# KiCad board Solder.kicad_pcb (continued)
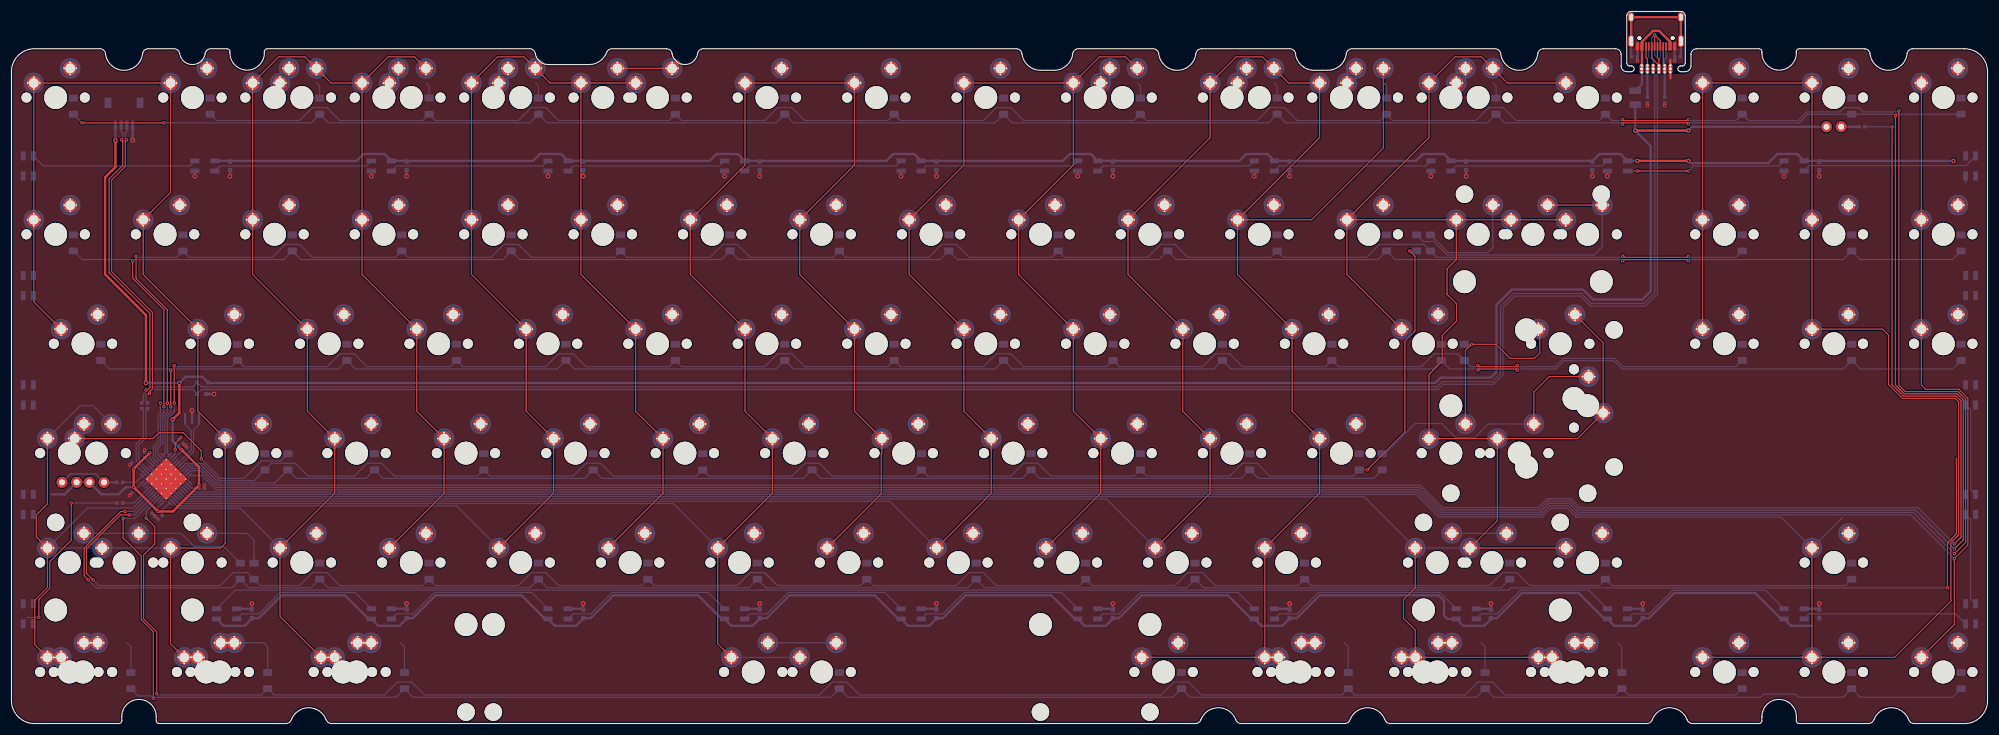
[diagram p0: board, top side]
## Copper pours and planes (outline as drawn; the poured copper is in the pictures) (continued)
C4 on Top: 189.71,47.12 189.72,47.23 189.72,47.33 189.73,47.42 189.74,47.51 189.76,47.59 189.78,47.66 189.8,47.73 189.83,47.8 189.85,47.86 189.88,47.92 189.92,47.98 189.95,48.03 189.99,48.08 190.03,48.13 190.38,48.52 190.42,48.58 190.47,48.63 190.51,48.7 190.56,48.76 190.61,48.83 190.65,48.9 190.7,48.98 190.74,49.07 189.61,50.24 188.49,49.07 188.53,48.98 188.58,48.9 188.62,48.83 188.67,48.76 188.71,48.7 188.76,48.63 188.81,48.58 188.85,48.52 189.2,48.13 189.24,48.08 189.28,48.03 189.31,47.98 189.34,47.92 189.37,47.86 189.4,47.8 189.43,47.73 189.45,47.66 189.47,47.59 189.48,47.51 189.5,47.42 189.51,47.33 189.51,47.23 189.51,47.12
C4 on Top: 170.66,47.12 170.67,47.23 170.67,47.33 170.68,47.42 170.69,47.51 170.71,47.59 170.73,47.66 170.75,47.73 170.78,47.8 170.8,47.86 170.83,47.92 170.87,47.98 170.9,48.03 170.94,48.08 170.98,48.13 171.33,48.52 171.37,48.58 171.42,48.63 171.46,48.7 171.51,48.76 171.56,48.83 171.6,48.9 171.65,48.98 171.69,49.07 170.56,50.24 169.44,49.07 169.48,48.98 169.53,48.9 169.57,48.83 169.62,48.76 169.66,48.7 169.71,48.63 169.76,48.58 169.8,48.52 170.15,48.13 170.19,48.08 170.23,48.03 170.26,47.98 170.29,47.92 170.32,47.86 170.35,47.8 170.38,47.73 170.4,47.66 170.42,47.59 170.43,47.51 170.45,47.42 170.46,47.33 170.46,47.23 170.46,47.12
C4 on Top: 182.36,111.43 182.47,111.43 182.57,111.42 182.66,111.41 182.75,111.4 182.83,111.38 182.9,111.36 182.97,111.34 183.04,111.31 183.1,111.29 183.16,111.26 183.21,111.22 183.27,111.19 183.32,111.15 183.37,111.11 183.76,110.77 183.81,110.72 183.87,110.67 183.93,110.63 184,110.58 184.07,110.53 184.14,110.49 184.22,110.45 184.31,110.4 185.48,111.53 184.31,112.65 184.22,112.61 184.14,112.56 184.07,112.52 184,112.47 183.93,112.43 183.87,112.38 183.81,112.33 183.76,112.29 183.37,111.94 183.32,111.9 183.27,111.86 183.21,111.83 183.16,111.8 183.1,111.77 183.04,111.74 182.97,111.71 182.9,111.69 182.83,111.67 182.75,111.66 182.66,111.64 182.57,111.63 182.47,111.63 182.36,111.63
C4 on Top: 184.95,109.04 184.95,109.14 184.96,109.24 184.97,109.33 184.98,109.42 185,109.5 185.02,109.58 185.04,109.65 185.06,109.71 185.09,109.78 185.12,109.83 185.15,109.89 185.19,109.94 185.23,109.99 185.26,110.04 185.61,110.43 185.66,110.49 185.71,110.55 185.75,110.61 185.8,110.67 185.84,110.74 185.89,110.82 185.93,110.9 185.98,110.98 184.85,112.15 183.73,110.98 183.77,110.9 183.81,110.82 183.86,110.74 183.9,110.67 183.95,110.61 184,110.55 184.04,110.49 184.09,110.43 184.44,110.04 184.48,109.99 184.51,109.94 184.55,109.89 184.58,109.83 184.61,109.78 184.64,109.71 184.66,109.65 184.69,109.58 184.71,109.5 184.72,109.42 184.73,109.33 184.74,109.24 184.75,109.14 184.75,109.04
C4 on Top: 157.97,89.55 157.89,89.47 157.82,89.41 157.74,89.35 157.67,89.3 157.61,89.25 157.54,89.21 157.47,89.18 157.41,89.15 157.35,89.12 157.28,89.1 157.22,89.09 157.16,89.07 157.1,89.06 157.03,89.06 156.51,89.03 156.44,89.02 156.37,89.01 156.29,89 156.21,88.99 156.13,88.97 156.04,88.95 155.96,88.92 155.87,88.9 155.83,87.27 157.46,87.3 157.49,87.4 157.51,87.48 157.53,87.57 157.55,87.65 157.56,87.73 157.57,87.8 157.58,87.88 157.59,87.95 157.62,88.47 157.63,88.53 157.64,88.6 157.65,88.66 157.67,88.72 157.69,88.78 157.71,88.85 157.74,88.91 157.77,88.98 157.81,89.04 157.86,89.11 157.91,89.18 157.97,89.25 158.03,89.33 158.11,89.4
C4 on Top: 165.9,109.04 165.9,109.14 165.91,109.24 165.92,109.33 165.93,109.42 165.95,109.5 165.97,109.58 165.99,109.65 166.01,109.71 166.04,109.78 166.07,109.83 166.1,109.89 166.14,109.94 166.18,109.99 166.21,110.04 166.56,110.43 166.61,110.49 166.66,110.55 166.7,110.61 166.75,110.67 166.79,110.74 166.84,110.82 166.88,110.9 166.93,110.98 165.8,112.15 164.68,110.98 164.72,110.9 164.76,110.82 164.81,110.74 164.85,110.67 164.9,110.61 164.95,110.55 164.99,110.49 165.04,110.43 165.39,110.04 165.43,109.99 165.46,109.94 165.5,109.89 165.53,109.83 165.56,109.78 165.59,109.71 165.61,109.65 165.64,109.58 165.66,109.5 165.67,109.42 165.68,109.33 165.69,109.24 165.7,109.14 165.7,109.04
C4 on Top: 194.13,115.76 194.21,115.68 194.27,115.61 194.33,115.53 194.38,115.46 194.43,115.4 194.47,115.33 194.5,115.26 194.53,115.2 194.56,115.14 194.58,115.07 194.59,115.01 194.6,114.95 194.62,114.89 194.62,114.82 194.65,114.3 194.66,114.23 194.67,114.16 194.68,114.08 194.69,114 194.71,113.92 194.73,113.84 194.75,113.75 194.78,113.66 196.41,113.63 196.37,115.25 196.28,115.28 196.2,115.3 196.11,115.32 196.03,115.34 195.95,115.35 195.88,115.36 195.8,115.37 195.73,115.38 195.21,115.41 195.14,115.42 195.08,115.43 195.02,115.44 194.96,115.46 194.9,115.48 194.83,115.5 194.77,115.53 194.7,115.56 194.64,115.6 194.57,115.65 194.5,115.7 194.42,115.76 194.35,115.82 194.27,115.9
C4 on Top: 168.29,111.63 168.19,111.63 168.09,111.63 167.99,111.64 167.91,111.66 167.83,111.67 167.75,111.69 167.68,111.71 167.62,111.74 167.55,111.77 167.49,111.8 167.44,111.83 167.39,111.86 167.33,111.9 167.29,111.94 166.9,112.29 166.84,112.33 166.78,112.38 166.72,112.43 166.66,112.47 166.59,112.52 166.51,112.56 166.43,112.61 166.35,112.65 165.18,111.53 166.35,110.4 166.43,110.45 166.51,110.49 166.59,110.53 166.66,110.58 166.72,110.63 166.78,110.67 166.84,110.72 166.9,110.77 167.29,111.11 167.33,111.15 167.39,111.19 167.44,111.22 167.49,111.26 167.55,111.29 167.62,111.31 167.68,111.34 167.75,111.36 167.83,111.38 167.91,111.4 167.99,111.41 168.09,111.42 168.19,111.43 168.29,111.43
C4 on Top: 186.54,113.36 186.47,113.28 186.39,113.22 186.32,113.16 186.25,113.11 186.18,113.06 186.11,113.02 186.05,112.99 185.98,112.96 185.92,112.94 185.86,112.92 185.79,112.9 185.73,112.89 185.67,112.88 185.61,112.87 185.09,112.84 185.01,112.83 184.94,112.82 184.86,112.81 184.79,112.8 184.7,112.78 184.62,112.76 184.53,112.74 184.44,112.71 184.41,111.09 186.03,111.12 186.06,111.21 186.09,111.3 186.11,111.38 186.12,111.46 186.14,111.54 186.15,111.62 186.16,111.69 186.16,111.76 186.19,112.28 186.2,112.35 186.21,112.41 186.22,112.47 186.24,112.53 186.26,112.6 186.28,112.66 186.31,112.72 186.35,112.79 186.39,112.86 186.43,112.92 186.48,112.99 186.54,113.07 186.61,113.14 186.68,113.22
C4 on Top: 177.02,89.55 176.94,89.47 176.87,89.41 176.79,89.35 176.72,89.3 176.66,89.25 176.59,89.21 176.52,89.18 176.46,89.15 176.4,89.12 176.33,89.1 176.27,89.09 176.21,89.07 176.15,89.06 176.08,89.06 175.56,89.03 175.49,89.02 175.42,89.01 175.34,89 175.26,88.99 175.18,88.97 175.09,88.95 175.01,88.92 174.92,88.9 174.88,87.27 176.51,87.3 176.54,87.4 176.56,87.48 176.58,87.57 176.6,87.65 176.61,87.73 176.62,87.8 176.63,87.88 176.64,87.95 176.67,88.47 176.68,88.53 176.69,88.6 176.7,88.66 176.72,88.72 176.74,88.78 176.76,88.85 176.79,88.91 176.82,88.98 176.86,89.04 176.91,89.11 176.96,89.18 177.02,89.25 177.08,89.33 177.16,89.4
C4 on Top: 156.38,85.22 156.38,85.33 156.38,85.43 156.39,85.52 156.41,85.61 156.42,85.69 156.44,85.76 156.46,85.83 156.49,85.9 156.52,85.96 156.55,86.02 156.58,86.08 156.61,86.13 156.65,86.18 156.69,86.23 157.04,86.62 157.08,86.68 157.13,86.73 157.18,86.8 157.22,86.86 157.27,86.93 157.31,87 157.36,87.08 157.4,87.17 156.28,88.34 155.15,87.17 155.19,87.08 155.24,87 155.28,86.93 155.33,86.86 155.38,86.8 155.42,86.73 155.47,86.68 155.52,86.62 155.86,86.23 155.9,86.18 155.94,86.13 155.97,86.08 156.01,86.02 156.04,85.96 156.06,85.9 156.09,85.83 156.11,85.76 156.13,85.69 156.15,85.61 156.16,85.52 156.17,85.43 156.17,85.33 156.18,85.22
C4 on Top: 163.97,70.35 164.04,70.28 164.11,70.2 164.17,70.13 164.22,70.06 164.27,69.99 164.31,69.93 164.34,69.86 164.37,69.8 164.39,69.73 164.41,69.67 164.43,69.61 164.44,69.55 164.45,69.48 164.46,69.42 164.49,68.9 164.5,68.83 164.5,68.75 164.51,68.68 164.53,68.6 164.55,68.52 164.57,68.43 164.59,68.35 164.62,68.25 166.24,68.22 166.21,69.85 166.12,69.87 166.03,69.9 165.95,69.92 165.87,69.94 165.79,69.95 165.71,69.96 165.64,69.97 165.57,69.98 165.04,70.01 164.98,70.01 164.92,70.02 164.86,70.04 164.8,70.05 164.73,70.07 164.67,70.1 164.61,70.13 164.54,70.16 164.47,70.2 164.4,70.25 164.33,70.3 164.26,70.36 164.19,70.42 164.11,70.5
C4 on Bottom: 159.21,32.25 159.28,32.18 159.35,32.1 159.41,32.03 159.46,31.96 159.5,31.89 159.54,31.83 159.58,31.76 159.61,31.7 159.63,31.63 159.65,31.57 159.67,31.51 159.68,31.45 159.69,31.38 159.7,31.32 159.73,30.8 159.73,30.73 159.74,30.65 159.75,30.58 159.77,30.5 159.78,30.42 159.8,30.33 159.83,30.25 159.86,30.15 161.48,30.12 161.45,31.75 161.36,31.77 161.27,31.8 161.19,31.82 161.11,31.84 161.03,31.85 160.95,31.86 160.88,31.87 160.8,31.88 160.28,31.91 160.22,31.91 160.16,31.92 160.1,31.94 160.03,31.95 159.97,31.97 159.91,32 159.84,32.03 159.78,32.06 159.71,32.1 159.64,32.15 159.57,32.2 159.5,32.26 159.43,32.32 159.35,32.4
C5 on Top: 221.12,70.35 221.19,70.28 221.26,70.2 221.32,70.13 221.37,70.06 221.42,69.99 221.46,69.93 221.49,69.86 221.52,69.8 221.54,69.73 221.56,69.67 221.58,69.61 221.59,69.55 221.6,69.48 221.61,69.42 221.64,68.9 221.65,68.83 221.65,68.75 221.66,68.68 221.68,68.6 221.7,68.52 221.72,68.43 221.74,68.35 221.77,68.25 223.39,68.22 223.36,69.85 223.27,69.87 223.18,69.9 223.1,69.92 223.02,69.94 222.94,69.95 222.86,69.96 222.79,69.97 222.72,69.98 222.19,70.01 222.13,70.01 222.07,70.02 222.01,70.04 221.95,70.05 221.88,70.07 221.82,70.1 221.76,70.13 221.69,70.16 221.62,70.2 221.55,70.25 221.48,70.3 221.41,70.36 221.34,70.42 221.26,70.5
C5 on Top: 213.53,85.22 213.53,85.33 213.53,85.43 213.54,85.52 213.56,85.61 213.57,85.69 213.59,85.76 213.61,85.83 213.64,85.9 213.67,85.96 213.7,86.02 213.73,86.08 213.76,86.13 213.8,86.18 213.84,86.23 214.19,86.62 214.23,86.68 214.28,86.73 214.33,86.8 214.37,86.86 214.42,86.93 214.46,87 214.51,87.08 214.55,87.17 213.43,88.34 212.3,87.17 212.34,87.08 212.39,87 212.43,86.93 212.48,86.86 212.53,86.8 212.57,86.73 212.62,86.68 212.67,86.62 213.01,86.23 213.05,86.18 213.09,86.13 213.12,86.08 213.16,86.02 213.19,85.96 213.21,85.9 213.24,85.83 213.26,85.76 213.28,85.69 213.3,85.61 213.31,85.52 213.32,85.43 213.32,85.33 213.33,85.22
C5 on Top: 225.88,51.3 225.96,51.23 226.02,51.15 226.08,51.08 226.13,51.01 226.18,50.94 226.22,50.88 226.25,50.81 226.28,50.75 226.31,50.68 226.33,50.62 226.34,50.56 226.35,50.5 226.37,50.43 226.37,50.37 226.4,49.85 226.41,49.78 226.42,49.7 226.43,49.63 226.44,49.55 226.46,49.47 226.48,49.38 226.5,49.3 226.53,49.2 228.16,49.17 228.12,50.8 228.03,50.82 227.95,50.85 227.86,50.87 227.78,50.89 227.7,50.9 227.63,50.91 227.55,50.92 227.48,50.93 226.96,50.96 226.89,50.96 226.83,50.97 226.77,50.99 226.71,51 226.65,51.02 226.58,51.05 226.52,51.08 226.45,51.11 226.39,51.15 226.32,51.2 226.25,51.25 226.17,51.31 226.1,51.37 226.02,51.45
C5 on Top: 223.05,66.17 223.05,66.28 223.06,66.38 223.07,66.47 223.08,66.56 223.1,66.64 223.12,66.71 223.14,66.78 223.16,66.85 223.19,66.91 223.22,66.97 223.25,67.03 223.29,67.08 223.33,67.13 223.36,67.18 223.71,67.57 223.76,67.63 223.81,67.68 223.85,67.75 223.9,67.81 223.94,67.88 223.99,67.95 224.03,68.03 224.08,68.12 222.95,69.29 221.83,68.12 221.87,68.03 221.91,67.95 221.96,67.88 222,67.81 222.05,67.75 222.1,67.68 222.14,67.63 222.19,67.57 222.54,67.18 222.58,67.13 222.61,67.08 222.65,67.03 222.68,66.97 222.71,66.91 222.74,66.85 222.76,66.78 222.79,66.71 222.81,66.64 222.82,66.56 222.83,66.47 222.84,66.38 222.85,66.28 222.85,66.17
C5 on Top: 200.83,32.4 200.75,32.32 200.68,32.26 200.61,32.2 200.54,32.15 200.47,32.1 200.4,32.06 200.34,32.03 200.27,32 200.21,31.97 200.14,31.95 200.08,31.94 200.02,31.92 199.96,31.91 199.9,31.91 199.37,31.88 199.3,31.87 199.23,31.86 199.15,31.85 199.07,31.84 198.99,31.82 198.91,31.8 198.82,31.77 198.73,31.75 198.7,30.12 200.32,30.15 200.35,30.25 200.37,30.33 200.4,30.42 200.41,30.5 200.43,30.58 200.44,30.65 200.44,30.73 200.45,30.8 200.48,31.32 200.49,31.38 200.5,31.45 200.51,31.51 200.53,31.57 200.55,31.63 200.57,31.7 200.6,31.76 200.64,31.83 200.67,31.89 200.72,31.96 200.77,32.03 200.83,32.1 200.9,32.18 200.97,32.25
C5 on Top: 206.83,51.3 206.91,51.23 206.97,51.15 207.03,51.08 207.08,51.01 207.13,50.94 207.17,50.88 207.2,50.81 207.23,50.75 207.26,50.68 207.28,50.62 207.29,50.56 207.3,50.5 207.32,50.43 207.32,50.37 207.35,49.85 207.36,49.78 207.37,49.7 207.38,49.63 207.39,49.55 207.41,49.47 207.43,49.38 207.45,49.3 207.48,49.2 209.11,49.17 209.07,50.8 208.98,50.82 208.9,50.85 208.81,50.87 208.73,50.89 208.65,50.9 208.58,50.91 208.5,50.92 208.43,50.93 207.91,50.96 207.84,50.96 207.78,50.97 207.72,50.99 207.66,51 207.6,51.02 207.53,51.05 207.47,51.08 207.4,51.11 207.34,51.15 207.27,51.2 207.2,51.25 207.12,51.31 207.05,51.37 206.97,51.45
C5 on Top: 208.76,47.12 208.77,47.23 208.77,47.33 208.78,47.42 208.79,47.51 208.81,47.59 208.83,47.66 208.85,47.73 208.88,47.8 208.9,47.86 208.93,47.92 208.97,47.98 209,48.03 209.04,48.08 209.08,48.13 209.43,48.52 209.47,48.58 209.52,48.63 209.56,48.7 209.61,48.76 209.66,48.83 209.7,48.9 209.75,48.98 209.79,49.07 208.66,50.24 207.54,49.07 207.58,48.98 207.63,48.9 207.67,48.83 207.72,48.76 207.76,48.7 207.81,48.63 207.86,48.58 207.9,48.52 208.25,48.13 208.29,48.08 208.33,48.03 208.36,47.98 208.39,47.92 208.42,47.86 208.45,47.8 208.48,47.73 208.5,47.66 208.52,47.59 208.53,47.51 208.55,47.42 208.56,47.33 208.56,47.23 208.56,47.12
C5 on Top: 227.81,47.12 227.82,47.23 227.82,47.33 227.83,47.42 227.84,47.51 227.86,47.59 227.88,47.66 227.9,47.73 227.93,47.8 227.95,47.86 227.98,47.92 228.02,47.98 228.05,48.03 228.09,48.08 228.13,48.13 228.48,48.52 228.52,48.58 228.57,48.63 228.61,48.7 228.66,48.76 228.71,48.83 228.75,48.9 228.8,48.98 228.84,49.07 227.71,50.24 226.59,49.07 226.63,48.98 226.68,48.9 226.72,48.83 226.77,48.76 226.81,48.7 226.86,48.63 226.91,48.58 226.95,48.52 227.3,48.13 227.34,48.08 227.38,48.03 227.41,47.98 227.44,47.92 227.47,47.86 227.5,47.8 227.53,47.73 227.55,47.66 227.57,47.59 227.58,47.51 227.6,47.42 227.61,47.33 227.61,47.23 227.61,47.12
C5 on Top: 219.88,32.4 219.8,32.32 219.73,32.26 219.66,32.2 219.59,32.15 219.52,32.1 219.45,32.06 219.39,32.03 219.32,32 219.26,31.97 219.19,31.95 219.13,31.94 219.07,31.92 219.01,31.91 218.95,31.91 218.42,31.88 218.35,31.87 218.28,31.86 218.2,31.85 218.12,31.84 218.04,31.82 217.96,31.8 217.87,31.77 217.78,31.75 217.75,30.12 219.37,30.15 219.4,30.25 219.42,30.33 219.45,30.42 219.46,30.5 219.48,30.58 219.49,30.65 219.49,30.73 219.5,30.8 219.53,31.32 219.54,31.38 219.55,31.45 219.56,31.51 219.58,31.57 219.6,31.63 219.62,31.7 219.65,31.76 219.69,31.83 219.72,31.89 219.77,31.96 219.82,32.03 219.88,32.1 219.95,32.18 220.02,32.25
C5 on Top: 204,66.17 204,66.28 204.01,66.38 204.02,66.47 204.03,66.56 204.05,66.64 204.07,66.71 204.09,66.78 204.11,66.85 204.14,66.91 204.17,66.97 204.2,67.03 204.24,67.08 204.28,67.13 204.31,67.18 204.66,67.57 204.71,67.63 204.76,67.68 204.8,67.75 204.85,67.81 204.89,67.88 204.94,67.95 204.98,68.03 205.03,68.12 203.9,69.29 202.78,68.12 202.82,68.03 202.86,67.95 202.91,67.88 202.95,67.81 203,67.75 203.05,67.68 203.09,67.63 203.14,67.57 203.49,67.18 203.53,67.13 203.56,67.08 203.6,67.03 203.63,66.97 203.66,66.91 203.69,66.85 203.71,66.78 203.74,66.71 203.76,66.64 203.77,66.56 203.78,66.47 203.79,66.38 203.8,66.28 203.8,66.17
C5 on Top: 202.07,70.35 202.14,70.28 202.21,70.2 202.27,70.13 202.32,70.06 202.37,69.99 202.41,69.93 202.44,69.86 202.47,69.8 202.49,69.73 202.51,69.67 202.53,69.61 202.54,69.55 202.55,69.48 202.56,69.42 202.59,68.9 202.6,68.83 202.6,68.75 202.61,68.68 202.63,68.6 202.65,68.52 202.67,68.43 202.69,68.35 202.72,68.25 204.34,68.22 204.31,69.85 204.22,69.87 204.13,69.9 204.05,69.92 203.97,69.94 203.89,69.95 203.81,69.96 203.74,69.97 203.67,69.98 203.14,70.01 203.08,70.01 203.02,70.02 202.96,70.04 202.9,70.05 202.83,70.07 202.77,70.1 202.71,70.13 202.64,70.16 202.57,70.2 202.5,70.25 202.43,70.3 202.36,70.36 202.29,70.42 202.21,70.5
C5 on Top: 194.48,85.22 194.48,85.33 194.48,85.43 194.49,85.52 194.51,85.61 194.52,85.69 194.54,85.76 194.56,85.83 194.59,85.9 194.62,85.96 194.65,86.02 194.68,86.08 194.71,86.13 194.75,86.18 194.79,86.23 195.14,86.62 195.18,86.68 195.23,86.73 195.28,86.8 195.32,86.86 195.37,86.93 195.41,87 195.46,87.08 195.5,87.17 194.38,88.34 193.25,87.17 193.29,87.08 193.34,87 193.38,86.93 193.43,86.86 193.48,86.8 193.52,86.73 193.57,86.68 193.62,86.62 193.96,86.23 194,86.18 194.04,86.13 194.07,86.08 194.11,86.02 194.14,85.96 194.16,85.9 194.19,85.83 194.21,85.76 194.23,85.69 194.25,85.61 194.26,85.52 194.27,85.43 194.27,85.33 194.28,85.22
C5 on Top: 225.22,111.43 225.33,111.43 225.43,111.42 225.52,111.41 225.61,111.4 225.69,111.38 225.76,111.36 225.83,111.34 225.9,111.31 225.96,111.29 226.02,111.26 226.08,111.22 226.13,111.19 226.18,111.15 226.23,111.11 226.62,110.77 226.68,110.72 226.73,110.67 226.8,110.63 226.86,110.58 226.93,110.53 227,110.49 227.08,110.45 227.17,110.4 228.34,111.53 227.17,112.65 227.08,112.61 227,112.56 226.93,112.52 226.86,112.47 226.8,112.43 226.73,112.38 226.68,112.33 226.62,112.29 226.23,111.94 226.18,111.9 226.13,111.86 226.08,111.83 226.02,111.8 225.96,111.77 225.9,111.74 225.83,111.71 225.76,111.69 225.69,111.67 225.61,111.66 225.52,111.64 225.43,111.63 225.33,111.63 225.22,111.63
C5 on Top: 215.92,87.81 215.81,87.82 215.71,87.82 215.62,87.83 215.53,87.84 215.45,87.86 215.38,87.88 215.31,87.9 215.24,87.93 215.18,87.96 215.12,87.99 215.06,88.02 215.01,88.05 214.96,88.09 214.91,88.13 214.52,88.48 214.46,88.52 214.41,88.57 214.35,88.62 214.28,88.66 214.21,88.71 214.14,88.75 214.06,88.8 213.97,88.84 212.8,87.71 213.97,86.59 214.06,86.63 214.14,86.68 214.21,86.72 214.28,86.77 214.35,86.81 214.41,86.86 214.46,86.91 214.52,86.95 214.91,87.3 214.96,87.34 215.01,87.38 215.06,87.41 215.12,87.44 215.18,87.47 215.24,87.5 215.31,87.53 215.38,87.55 215.45,87.57 215.53,87.58 215.62,87.6 215.71,87.61 215.81,87.61 215.92,87.61
C5 on Top: 215.12,89.55 215.04,89.47 214.97,89.41 214.89,89.35 214.82,89.3 214.76,89.25 214.69,89.21 214.62,89.18 214.56,89.15 214.5,89.12 214.43,89.1 214.37,89.09 214.31,89.07 214.25,89.06 214.18,89.06 213.66,89.03 213.59,89.02 213.52,89.01 213.44,89 213.36,88.99 213.28,88.97 213.19,88.95 213.11,88.92 213.02,88.9 212.98,87.27 214.61,87.3 214.64,87.4 214.66,87.48 214.68,87.57 214.7,87.65 214.71,87.73 214.72,87.8 214.73,87.88 214.74,87.95 214.77,88.47 214.78,88.53 214.79,88.6 214.8,88.66 214.82,88.72 214.84,88.78 214.86,88.85 214.89,88.91 214.92,88.98 214.96,89.04 215.01,89.11 215.06,89.18 215.12,89.25 215.18,89.33 215.26,89.4
C5 on Top: 227.81,109.04 227.82,109.14 227.82,109.24 227.83,109.33 227.84,109.42 227.86,109.5 227.88,109.58 227.9,109.65 227.93,109.71 227.95,109.78 227.98,109.83 228.02,109.89 228.05,109.94 228.09,109.99 228.13,110.04 228.48,110.43 228.52,110.49 228.57,110.55 228.61,110.61 228.66,110.67 228.71,110.74 228.75,110.82 228.8,110.9 228.84,110.98 227.71,112.15 226.59,110.98 226.63,110.9 226.68,110.82 226.72,110.74 226.77,110.67 226.81,110.61 226.86,110.55 226.91,110.49 226.95,110.43 227.3,110.04 227.34,109.99 227.38,109.94 227.41,109.89 227.44,109.83 227.47,109.78 227.5,109.71 227.53,109.65 227.55,109.58 227.57,109.5 227.58,109.42 227.6,109.33 227.61,109.24 227.61,109.14 227.61,109.04
C5 on Top: 215.7,11.41 215.81,11.41 215.9,11.41 216,11.4 216.08,11.38 216.16,11.37 216.24,11.35 216.31,11.33 216.38,11.3 216.44,11.27 216.5,11.24 216.55,11.21 216.6,11.18 216.66,11.14 216.71,11.1 217.1,10.75 217.15,10.71 217.21,10.66 217.27,10.61 217.34,10.57 217.41,10.52 217.48,10.48 217.56,10.43 217.64,10.39 218.81,11.51 217.64,12.64 217.56,12.6 217.48,12.55 217.41,12.51 217.34,12.46 217.27,12.42 217.21,12.37 217.15,12.32 217.1,12.28 216.71,11.93 216.66,11.89 216.6,11.85 216.55,11.82 216.5,11.79 216.44,11.76 216.38,11.73 216.31,11.7 216.24,11.68 216.16,11.66 216.08,11.64 216,11.63 215.9,11.62 215.81,11.62 215.7,11.61
C5 on Top: 199.25,11.61 199.14,11.62 199.04,11.62 198.95,11.63 198.86,11.64 198.78,11.66 198.71,11.68 198.64,11.7 198.57,11.73 198.51,11.76 198.45,11.79 198.4,11.82 198.34,11.85 198.29,11.89 198.24,11.93 197.85,12.28 197.8,12.32 197.74,12.37 197.68,12.42 197.61,12.46 197.54,12.51 197.47,12.55 197.39,12.6 197.3,12.64 196.13,11.51 197.3,10.39 197.39,10.43 197.47,10.48 197.54,10.52 197.61,10.57 197.68,10.61 197.74,10.66 197.8,10.71 197.85,10.75 198.24,11.1 198.29,11.14 198.34,11.18 198.4,11.21 198.45,11.24 198.51,11.27 198.57,11.3 198.64,11.33 198.71,11.35 198.78,11.37 198.86,11.38 198.95,11.4 199.04,11.41 199.14,11.41 199.25,11.41
C5 on Top: 218.09,14 218.09,13.9 218.08,13.8 218.07,13.71 218.06,13.62 218.04,13.54 218.02,13.46 218,13.39 217.98,13.33 217.95,13.27 217.92,13.21 217.89,13.15 217.85,13.1 217.81,13.05 217.78,13 217.43,12.61 217.38,12.55 217.33,12.49 217.29,12.43 217.24,12.37 217.2,12.3 217.15,12.22 217.11,12.14 217.06,12.06 218.19,10.89 219.31,12.06 219.27,12.14 219.23,12.22 219.18,12.3 219.14,12.37 219.09,12.43 219.04,12.49 219,12.55 218.95,12.61 218.6,13 218.56,13.05 218.53,13.1 218.49,13.15 218.46,13.21 218.43,13.27 218.4,13.33 218.38,13.39 218.35,13.46 218.34,13.54 218.32,13.62 218.31,13.71 218.3,13.8 218.29,13.9 218.29,14
C5 on Top: 218.29,28.07 218.29,28.18 218.3,28.28 218.31,28.37 218.32,28.46 218.34,28.54 218.35,28.61 218.38,28.68 218.4,28.75 218.43,28.81 218.46,28.87 218.49,28.93 218.53,28.98 218.56,29.03 218.6,29.08 218.95,29.47 219,29.53 219.04,29.58 219.09,29.65 219.14,29.71 219.18,29.78 219.23,29.85 219.27,29.93 219.31,30.02 218.19,31.19 217.06,30.02 217.11,29.93 217.15,29.85 217.2,29.78 217.24,29.71 217.29,29.65 217.33,29.58 217.38,29.53 217.43,29.47 217.78,29.08 217.81,29.03 217.85,28.98 217.89,28.93 217.92,28.87 217.95,28.81 217.98,28.75 218,28.68 218.02,28.61 218.04,28.54 218.06,28.46 218.07,28.37 218.08,28.28 218.09,28.18 218.09,28.07
C5 on Top: 196.07,89.55 195.99,89.47 195.92,89.41 195.84,89.35 195.77,89.3 195.71,89.25 195.64,89.21 195.57,89.18 195.51,89.15 195.45,89.12 195.38,89.1 195.32,89.09 195.26,89.07 195.2,89.06 195.13,89.06 194.61,89.03 194.54,89.02 194.47,89.01 194.39,89 194.31,88.99 194.23,88.97 194.14,88.95 194.06,88.92 193.97,88.9 193.93,87.27 195.56,87.3 195.59,87.4 195.61,87.48 195.63,87.57 195.65,87.65 195.66,87.73 195.67,87.8 195.68,87.88 195.69,87.95 195.72,88.47 195.73,88.53 195.74,88.6 195.75,88.66 195.77,88.72 195.79,88.78 195.81,88.85 195.84,88.91 195.87,88.98 195.91,89.04 195.96,89.11 196.01,89.18 196.07,89.25 196.13,89.33 196.21,89.4
C5 on Top: 221.61,112.38 221.53,112.45 221.47,112.53 221.41,112.6 221.36,112.67 221.31,112.74 221.27,112.81 221.24,112.87 221.21,112.94 221.19,113 221.17,113.06 221.15,113.12 221.14,113.19 221.13,113.25 221.12,113.31 221.09,113.83 221.08,113.9 221.07,113.98 221.06,114.05 221.05,114.13 221.03,114.21 221.01,114.3 220.99,114.39 220.96,114.48 219.33,114.51 219.37,112.89 219.46,112.86 219.54,112.83 219.63,112.81 219.71,112.79 219.79,112.78 219.87,112.77 219.94,112.76 220.01,112.76 220.53,112.73 220.6,112.72 220.66,112.71 220.72,112.69 220.78,112.68 220.85,112.66 220.91,112.63 220.97,112.6 221.04,112.57 221.11,112.53 221.17,112.49 221.24,112.43 221.32,112.38 221.39,112.31 221.47,112.24
C5 on Top: 210.35,113.36 210.28,113.28 210.2,113.22 210.13,113.16 210.06,113.11 209.99,113.06 209.93,113.02 209.86,112.99 209.8,112.96 209.73,112.94 209.67,112.92 209.61,112.9 209.55,112.89 209.48,112.88 209.42,112.87 208.9,112.84 208.83,112.83 208.75,112.82 208.68,112.81 208.6,112.8 208.52,112.78 208.43,112.76 208.34,112.74 208.25,112.71 208.22,111.09 209.84,111.12 209.87,111.21 209.9,111.3 209.92,111.38 209.94,111.46 209.95,111.54 209.96,111.62 209.97,111.69 209.98,111.76 210.01,112.28 210.01,112.35 210.02,112.41 210.04,112.47 210.05,112.53 210.07,112.6 210.1,112.66 210.13,112.72 210.16,112.79 210.2,112.86 210.25,112.92 210.3,112.99 210.36,113.07 210.42,113.14 210.5,113.22
C5 on Top: 208.76,109.04 208.77,109.14 208.77,109.24 208.78,109.33 208.79,109.42 208.81,109.5 208.83,109.58 208.85,109.65 208.88,109.71 208.9,109.78 208.93,109.83 208.97,109.89 209,109.94 209.04,109.99 209.08,110.04 209.43,110.43 209.47,110.49 209.52,110.55 209.56,110.61 209.61,110.67 209.66,110.74 209.7,110.82 209.75,110.9 209.79,110.98 208.66,112.15 207.54,110.98 207.58,110.9 207.63,110.82 207.67,110.74 207.72,110.67 207.76,110.61 207.81,110.55 207.86,110.49 207.9,110.43 208.25,110.04 208.29,109.99 208.33,109.94 208.36,109.89 208.39,109.83 208.42,109.78 208.45,109.71 208.48,109.65 208.5,109.58 208.52,109.5 208.53,109.42 208.55,109.33 208.56,109.24 208.56,109.14 208.56,109.04
C5 on Top: 217.95,115.76 218.02,115.68 218.08,115.61 218.14,115.53 218.2,115.46 218.24,115.4 218.28,115.33 218.31,115.26 218.34,115.2 218.37,115.14 218.39,115.07 218.4,115.01 218.42,114.95 218.43,114.89 218.44,114.82 218.46,114.3 218.47,114.23 218.48,114.16 218.49,114.08 218.5,114 218.52,113.92 218.54,113.84 218.57,113.75 218.6,113.66 220.22,113.63 220.19,115.25 220.1,115.28 220.01,115.3 219.92,115.32 219.84,115.34 219.76,115.35 219.69,115.36 219.61,115.37 219.54,115.38 219.02,115.41 218.96,115.42 218.9,115.43 218.83,115.44 218.77,115.46 218.71,115.48 218.64,115.5 218.58,115.53 218.51,115.56 218.45,115.6 218.38,115.65 218.31,115.7 218.24,115.76 218.16,115.82 218.09,115.9
